# Altium PCB PCB1.PcbDoc (part 1 of 2)
Units mm, origin at the board's own origin, x right, y up, seen from the top; angles counter-clockwise.
Board outline 95 x 50 mm, 4 copper layers (Top Layer, GND02, PWR03, Bottom Layer), stack 0.603 mm thick; 238 components, 164 nets, 720 pads, 505 vias.
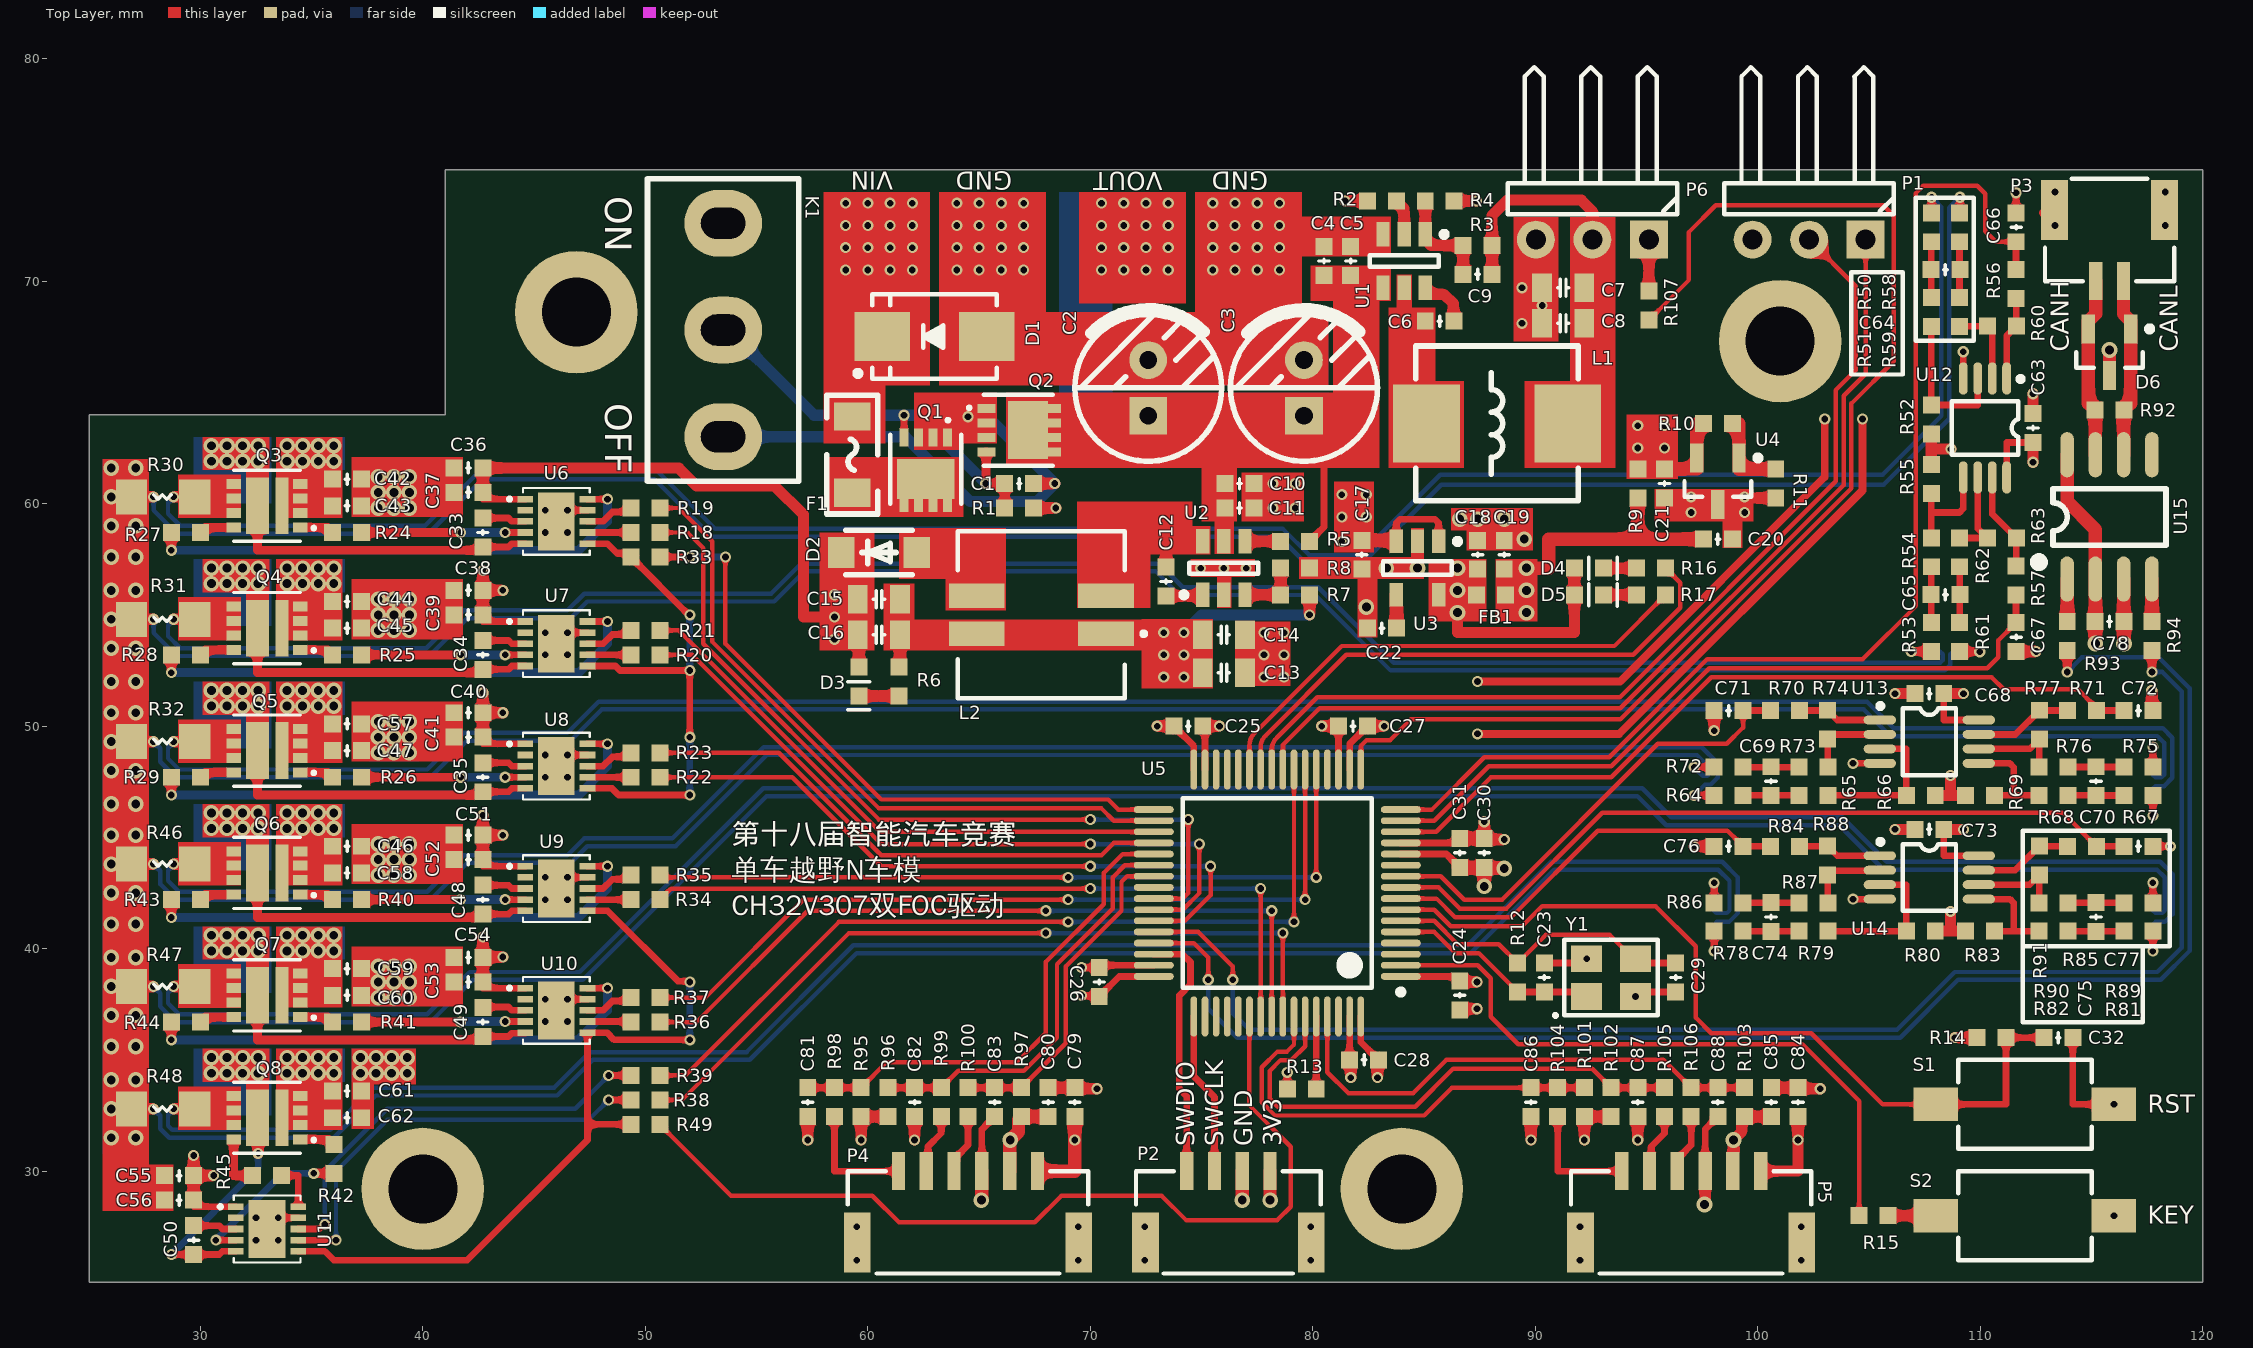
[diagram p0: Top Layer view]
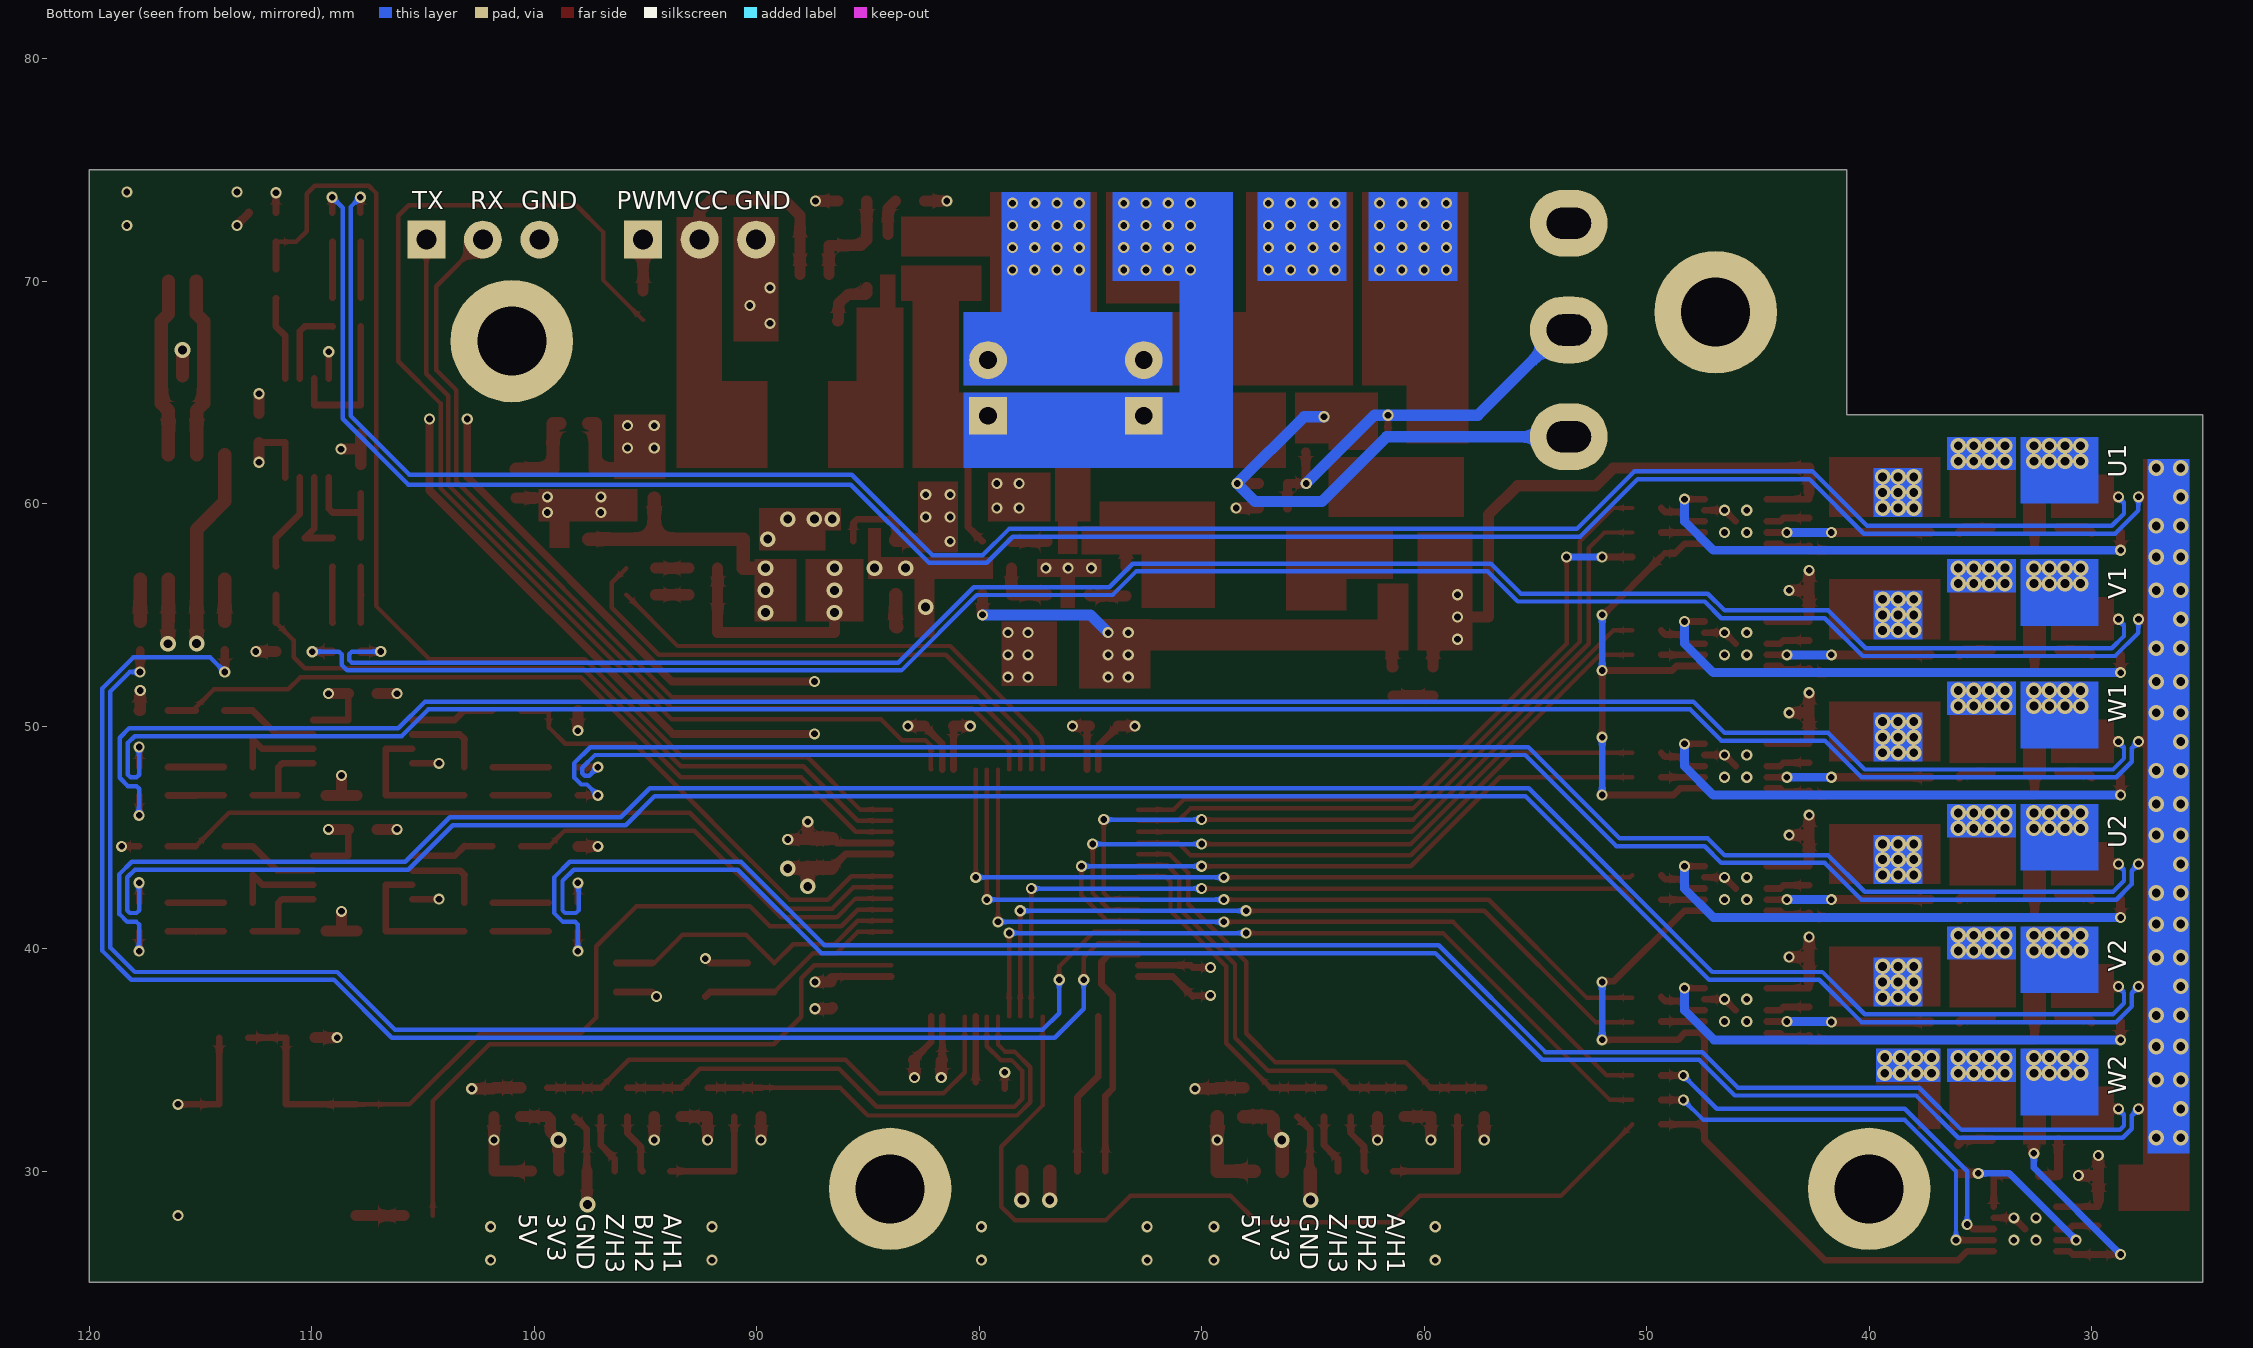
[diagram p1: Bottom Layer view, seen from below]
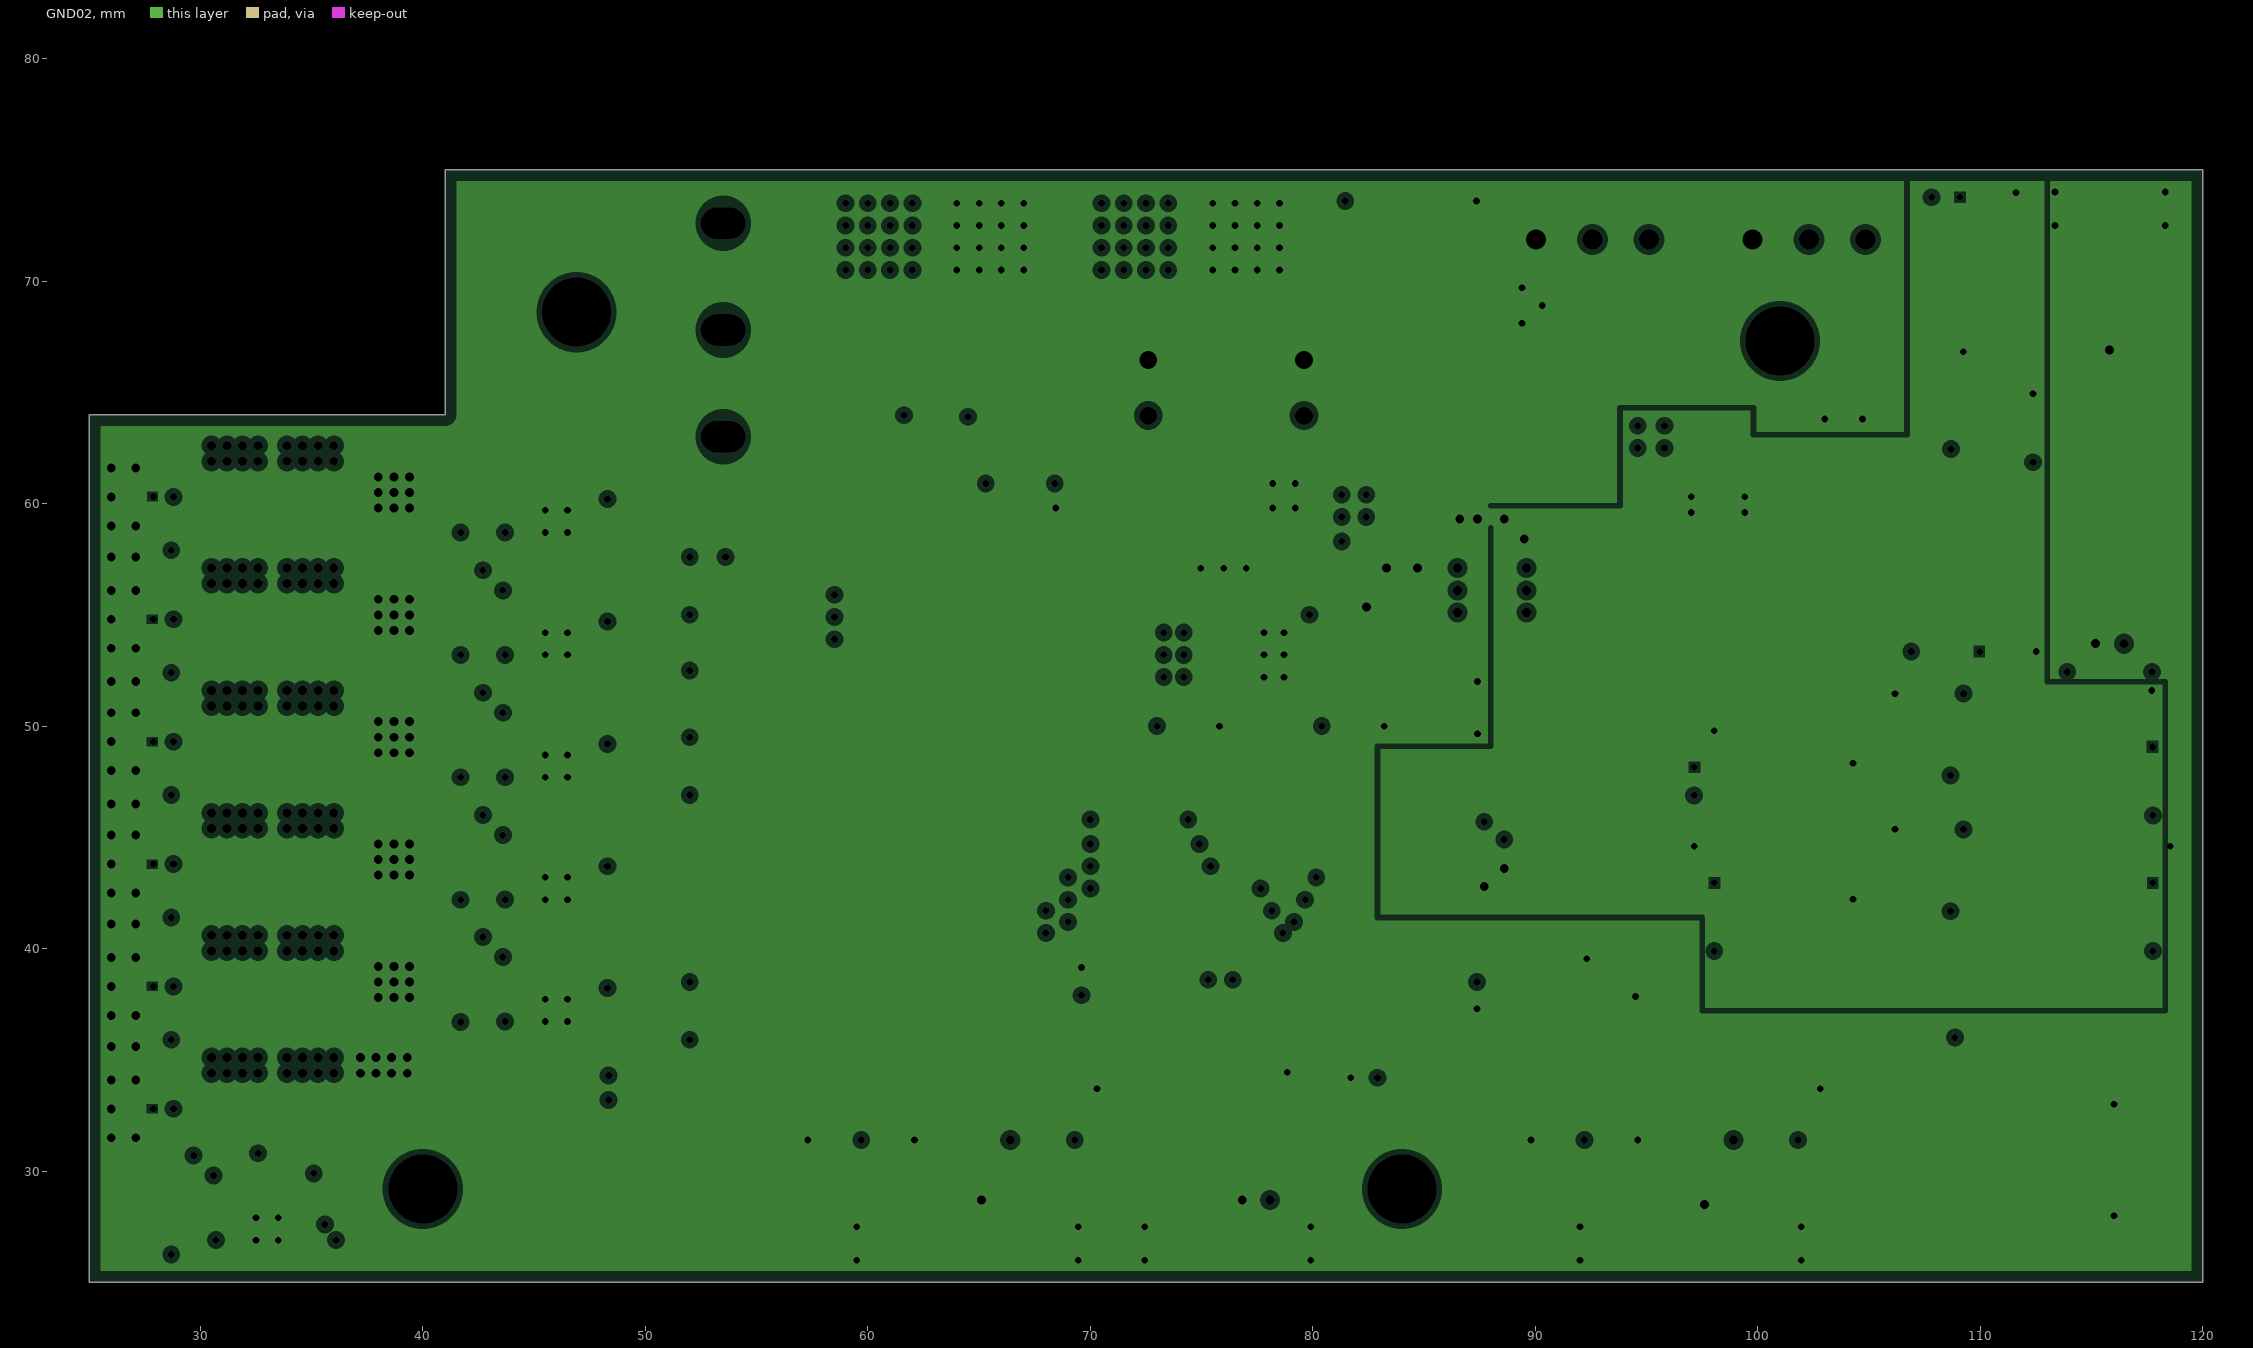
[diagram p2: GND02, clearances drawn from the general rule]
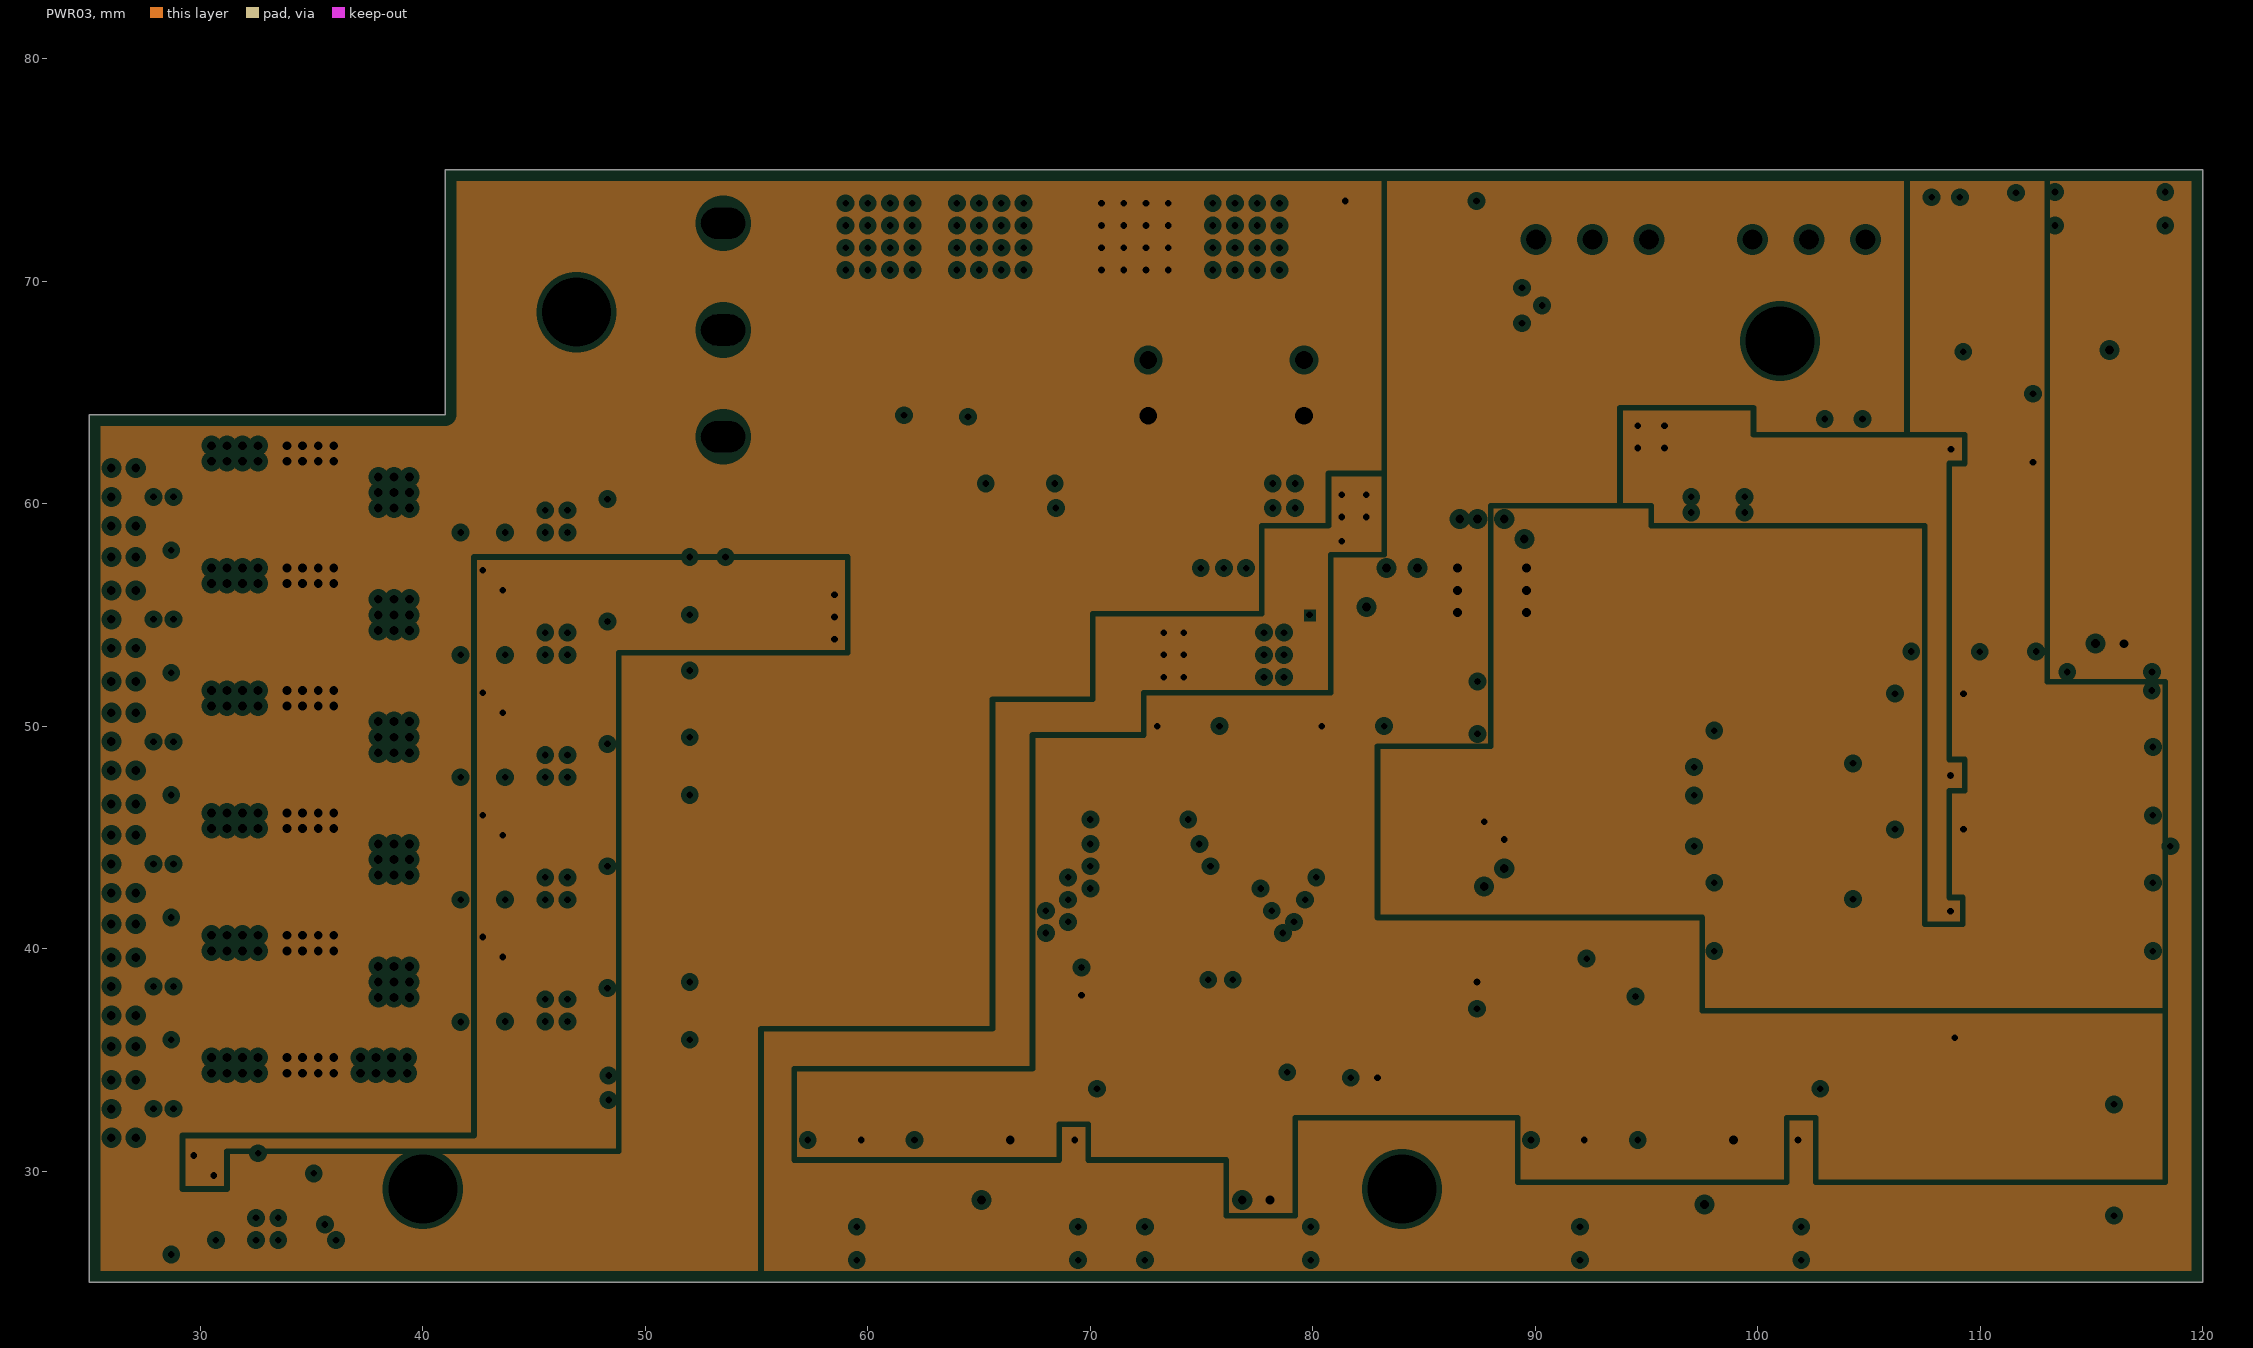
[diagram p3: PWR03, clearances drawn from the general rule]

## Layer stack, top to bottom
Top Solder: solder mask 0.0102, Solder Resist, Dk 3.5
Top Layer: signal copper 0.0356
Dielectric 2: prepreg 0.0711, PP-006, Dk 4.1
GND02: plane copper 0.035, net GND
Dielectric 1: dielectric 0.32, FR-4, Dk 4.8
PWR03: plane copper 0.035, net (Multiple Nets)
Dielectric 3: prepreg 0.0711, PP-006, Dk 4.1
Bottom Layer: signal copper 0.0356
Bottom Solder: solder mask 0.0102, Solder Resist, Dk 3.5

## Board outline
25,25 25,64 41,64 41,75 120,75 120,25

## Design rules (kind name [scope] priority, off if disabled: settings)
Clearance [All] p1: gap=0.15 ignorepadtopadclearanceinfootprint=TRUE except(0: Arc-Hole Track-Hole SMDPad-Hole THPad-Hole Via-Hole Fill-Hole Poly-Hole Region-Hole Text-Hole; 0.25: Arc-Poly Track-Poly SMDPad-Poly THPad-Poly Via-Poly Fill-Poly Poly-Poly)
ComponentClearance [All] p1: gap=0 collisioncheckmode=3 verticalgap=0.254 showdistances=FALSE
Height [All] p1 off: minheight=0 maxheight=254 prefheight=12.7
HoleSize [All] p1: absolutevalues=TRUE maxlimit=10 minlimit=0.025 maxpercent=80.000 minpercent=20.000
MinimumSolderMaskSliver [All] p1: minsoldermaskwidth=0
PlaneClearance [All] p1: clearance=0.25
PlaneConnect [All] p1: planeconnectstyle=Direct reliefexpansion=0.508 reliefentries=4 reliefconductorwidth=0.254 reliefairgap=0.254
PolygonConnect [All] p1: thpad.connectstyle=Relief thpad.reliefconductorwidth=0.254 thpad.reliefentries=4 thpad.polygonreliefangle="90 Angle" thpad.airgapwidth=0.254 smdpad.connectstyle=Relief smdpad.reliefconductorwidth=0.254 smdpad.reliefentries=4 smdpad.polygonreliefangle="90 Angle" smdpad.airgapwidth=0.254 via.connectstyle=Direct via.reliefconductorwidth=0.254 via.reliefentries=4 via.polygonreliefangle="90 Angle" via.airgapwidth=0.254
RoutingCorners [All] p1: cornerstyle=45-Degree minsetback=2.54 maxsetback=10
RoutingVias [All] p1: holewidth=0.3 width=0.5 viastyle="Through Hole" minholewidth=0.3 minwidth=0.5 maxholewidth=0.8 maxwidth=1.5
SilkToSilkClearance [All] p1: silktosilkclearance=0.05
SilkToSolderMaskClearance [IsPad] p1: minsilkscreentomaskgap=0.01 clearancetoexposedcopper=TRUE
SolderMaskExpansion [All] p1: expansion=0.102 istentingtop=FALSE
UnRoutedNet [All] p1: checkbadconnections=TRUE
Width [All] p1: maxlimit=5 minlimit=0.15 preferedwidth=0.254
20 further rules are at their usual default settings.

## Classes and differential pairs
component class U_Power: C1 C2 C3 C4 C5 C6 C7 C8 C9 C10 C11 C12 C13 C14 C15 C16 C17 C18 C19 C20 C21 C22 D1 D2 D3 F1 FB1 K1 L1 L2 Q1 Q2 R1 R2 R3 R4 R5 R6 R7 R8 R9 R10 R11 U1 U2 U3 U4
component class U_Motor_Driver2: C48 C49 C50 C51 C52 C53 C54 C55 C56 C57 C58 C59 C60 C61 C62 mx Q6 Q7 Q8 R34 R35 R36 R37 R38 R39 R40 R41 R42 R43 R44 R45 R46 R47 R48 R49 U9 U10 U11
component class U_Motor_Driver1: C33 C34 C35 C36 C37 C38 C39 C40 C41 C42 C43 C44 C45 C46 C47 Q3 Q4 Q5 R18 R19 R20 R21 R22 R23 R24 R25 R26 R27 R28 R29 R30 R31 R32 R33 U6 U7 U8
component class U_MCU: C23 C24 C25 C26 C27 C28 C29 C30 C31 C32 D4 D5 P1 P2 R12 R13 R14 R15 R16 R17 S1 S2 U5 Y1
component class U_Interface1: C79 C80 C81 C82 C83 C84 C85 C86 C87 C88 P4 P5 P6 R95 R96 R97 R98 R99 R100 R101 R102 R103 R104 R105 R106 R107
component class U_Current_Sensing: C63 C64 C65 C66 C67 C68 C69 C70 C71 C72 C73 C74 C75 C76 C77 R50 R51 R52 R53 R54 R55 R56 R57 R58 R59 R60 R61 R62 R63 R64 R65 R66 R67 R68 R69 R70 R71 R72 R73 R74 R75 R76 R77 R78 R79 R80 R81 R82 R83 R84 R85 R86 R87 R88 R89 R90 R91 U12 U13 U14
component class U_CAN: C78 D6 P3 R92 R93 R94 U15

## Components (designator, comment, footprint, x,y, rotation, side; value= is the part's Value field where it differs from the comment)
C1 "0.1uF" C0603_NS 66.8,60.9 r180 top
C2 "220uF/16V" "CT 2.5*6.3*7 - R" 72.6,65.2 r270 top
C3 "220uF/16V" "CT 2.5*6.3*7 - R" 79.6,65.2 r270 top
C4 "10uF" C0603_NS 80.5,70.9 r270 top
C5 "0.1uF" C0603_NS 81.7,70.9 r270 top
C6 "0.1uF" C0603_NS 85.7,68.2 r180 top
C7 "22uF/25V" C0805_NS 91.246,69.7 r0 top
C8 "22uF/25V" C0805_NS 91.246,68.1 r0 top
C9 "NC" C0603_NS 87.4,70.3 r0 top
C10 "10uF" C0603_NS 76.7,60.9 r180 top
C11 "0.1uF" C0603_NS 76.7,59.8 r180 top
C12 "0.1uF" C0603_NS 73.4,56.5 r90 top
C13 "22uF/25V" C0805_NS 76,52.4 r180 top
C14 "22uF/25V" C0805_NS 76,54.1 r180 top
C15 "22uF/25V" C0805_NS 60.5,55.7 r180 top
C16 "22uF/25V" C0805_NS 60.5,54.1 r180 top
C17 "1uF" C0603_NS 82.2,57.7 r90 top
C18 "1uF" C0603_NS 87.4,57.7 r270 top
C19 "1uF" C0603_NS 88.6,57.7 r270 top
C20 "10uF" C0603_NS 98.2,58.4 r180 top
C21 "10uF" C0603_NS 95.8,60.9 r90 top
C22 "0.1uF" C0603_NS 83.1,54.4 r0 top
C23 "22pF" C0603_NS 90.4,38.7 r270 top
C24 "10uF" C0603_NS 86.6,37.9 r90 top
C25 "0.1uF" C0603_NS 74.4,50 r180 top
C26 "0.1uF" C0603_NS 70.4,38.5 r270 top
C27 "0.1uF" C0603_NS 81.8,50 r180 top
C28 "0.1uF" C0603_NS 82.3,35 r0 top
C29 "22pF" C0603_NS 96.3,38.7 r90 top
C30 "1uF" C0603_NS 87.7,44.3 r90 top
C31 "10nF" C0603_NS 86.6,44.3 r90 top
C32 "0.1uF" C0603_NS 113.5,36 r180 top
C33 "470nF" C0603_NS 42.7,58.7 r270 top value=1uF
C34 "470nF" C0603_NS 42.7,53.2 r270 top value=1uF
C35 "470nF" C0603_NS 42.7,47.7 r270 top value=1uF
C36 "10uF/25V" C0603_NS 42.05,61.6 r180 top value=1uF
C37 "0.1uF" C0603_NS 42.05,60.5 r180 top value=1uF
C38 "10uF/25V" C0603_NS 42.05,56.1 r180 top value=1uF
C39 "0.1uF" C0603_NS 42.05,55 r180 top value=1uF
C40 "10uF/25V" C0603_NS 42.05,50.6 r180 top value=1uF
C41 "0.1uF" C0603_NS 42.05,49.5 r180 top value=1uF
C42 "10uF/25V" C0603_NS 36.6,61.1 r180 top
C43 "10uF/25V" C0603_NS 36.6,59.9 r180 top
C44 "10uF/25V" C0603_NS 36.6,55.6 r180 top
C45 "10uF/25V" C0603_NS 36.6,54.4 r180 top
C46 "10uF/25V" C0603_NS 36.6,44.6 r180 top
C47 "10uF/25V" C0603_NS 36.6,48.9 r180 top
C48 "470nF" C0603_NS 42.7,42.2 r270 top value=1uF
C49 "470nF" C0603_NS 42.7,36.7 r270 top value=1uF
C50 "470nF" C0603_NS 29.7,26.9 r270 top value=1uF
C51 "10uF/25V" C0603_NS 42.05,45.1 r180 top value=1uF
C52 "0.1uF" C0603_NS 42.05,44 r180 top value=1uF
C53 "10uF/25V" C0603_NS 42.05,38.5 r180 top value=1uF
C54 "0.1uF" C0603_NS 42.05,39.6 r180 top value=1uF
C55 "10uF/25V" C0603_NS 29.05,29.8 r180 top value=1uF
C56 "0.1uF" C0603_NS 29.05,28.7 r180 top value=1uF
C57 "10uF/25V" C0603_NS 36.6,50.1 r180 top
C58 "10uF/25V" C0603_NS 36.6,43.4 r180 top
C59 "10uF/25V" C0603_NS 36.6,39.1 r180 top
C60 "10uF" C0603_NS 36.6,37.9 r180 top
C61 "10uF/25V" C0603_NS 36.6,33.6 r180 top
C62 "10uF/25V" C0603_NS 36.6,32.4 r180 top
C63 "0.1uF" C0603_NS 112.362,63.398 r270 top
C64 "100pF" C0603_NS 108.425,70.51 r180 top
C65 "100pF" C0603_NS 108.425,55.905 r180 top
C66 "1nF" C0603_NS 111.6,72.415 r270 top
C67 "1nF" C0603_NS 111.6,54 r90 top
C68 "0.1uF" C0603_NS 107.7,51.459 r0 top
C69 "100pF" C0603_NS 100.588,47.522 r270 top
C70 "100pF" C0603_NS 115.193,47.522 r270 top
C71 "1nF" C0603_NS 98.683,50.697 r0 top
C72 "1nF" C0603_NS 117.098,50.697 r180 top
C73 "0.1uF" C0603_NS 107.7,45.359 r0 top
C74 "100pF" C0603_NS 100.588,41.422 r270 top
C75 "100pF" C0603_NS 115.193,41.422 r270 top
C76 "1nF" C0603_NS 98.683,44.597 r0 top
C77 "1nF" C0603_NS 117.098,44.597 r180 top
C78 "0.1uF" C0603_NS 115.8,54.7 r180 top
C79 "0.1uF" C0603_NS 69.3,33.1 r270 top
C80 "0.1uF" C0603_NS 68.1,33.1 r270 top
C81 "1nF" C0603_NS 57.3,33.1 r90 top
C82 "1nF" C0603_NS 62.1,33.1 r90 top
C83 "1nF" C0603_NS 65.7,33.1 r90 top
C84 "0.1uF" C0603_NS 101.8,33.1 r270 top
C85 "0.1uF" C0603_NS 100.6,33.1 r270 top
C86 "1nF" C0603_NS 89.8,33.1 r90 top
C87 "1nF" C0603_NS 94.6,33.1 r90 top
C88 "1nF" C0603_NS 98.2,33.1 r90 top
D1 "SMBJ18CA" SMB 63,67.5 r0 top locked
D2 "B5819W" SOD-123 60.5,57.8 r180 top
D3 "LED" LED0603_NS 59.6,52 r270 top
D4 "LED" LED0603_NS 92.4,57.1 r0 top
D5 "LED" LED0603_NS 92.4,55.9 r0 top
D6 "PESD1CAN" SOT23-3N 115.8,66.8 r270 top
F1 "10A/32V" "FU 1206" 59.3,62.2 r270 top
FB1 "600Ω,500mA" FB0603_NS 88,55.9 r0 top
K1 "SS-12D10L5" SS-12D10 53.5,67.8 r90 top locked
L1 "4.7uH" L-SMD-0630 88.275,63.6 r0 top
L2 "MSD7342-223" MSD7342 67.8,55 r90 top locked
P1 "HDR-1X3" HDR2.54-WI-3P 102.3,71.863 r180 top locked
P2 "GH1.25-4P" A1257WR-S-4P 76.2,30 r0 top
P3 "GH1.25-2P" A1257WR-S-2P 115.8,70 r180 top locked
P4 "GH1.25-6P" A1257WR-S-6P 64.5,30 r0 top locked
P5 "GH1.25-6P" A1257WR-S-6P 97,30 r0 top locked
P6 "HDR-1X3" HDR2.54-WI-3P 92.564,71.863 r180 top locked
Q1 "VS3508AE" PowerPAK1212-8 62.6,61.5 r180 top
Q2 "VS3508AE" PowerPAK1212-8 66.8,63.3 r270 top
Q3 "AON7934" POWERPAIR_3X3 33,59.9 r90 top locked
Q4 "AON7934" POWERPAIR_3X3 33,54.4 r90 top locked
Q5 "AON7934" POWERPAIR_3X3 33,48.9 r90 top locked
Q6 "AON7934" POWERPAIR_3X3 33,43.4 r90 top locked
Q7 "AON7934" POWERPAIR_3X3 33,37.9 r90 top
Q8 "AON7934" POWERPAIR_3X3 33,32.4 r90 top locked
R1 "10K" R0603_NS 66.8,59.8 r0 top
R2 "100K" R0603_NS 83.1,73.6 r180 top